# Altium PCB 1166V30.PcbDoc (part 2 of 6)
Units mil, origin at the board's own origin, x right, y up, seen from the top; angles counter-clockwise.
Board outline 6140.98 x 3937.01 mil, 8 copper layers (Top Layer, Layer 1, Layer 2, Layer 3, Layer 4, Layer 5, Layer 6, Bottom Layer), stack 63.002 mil thick; 581 components, 327 nets, 2120 pads, 1524 vias.
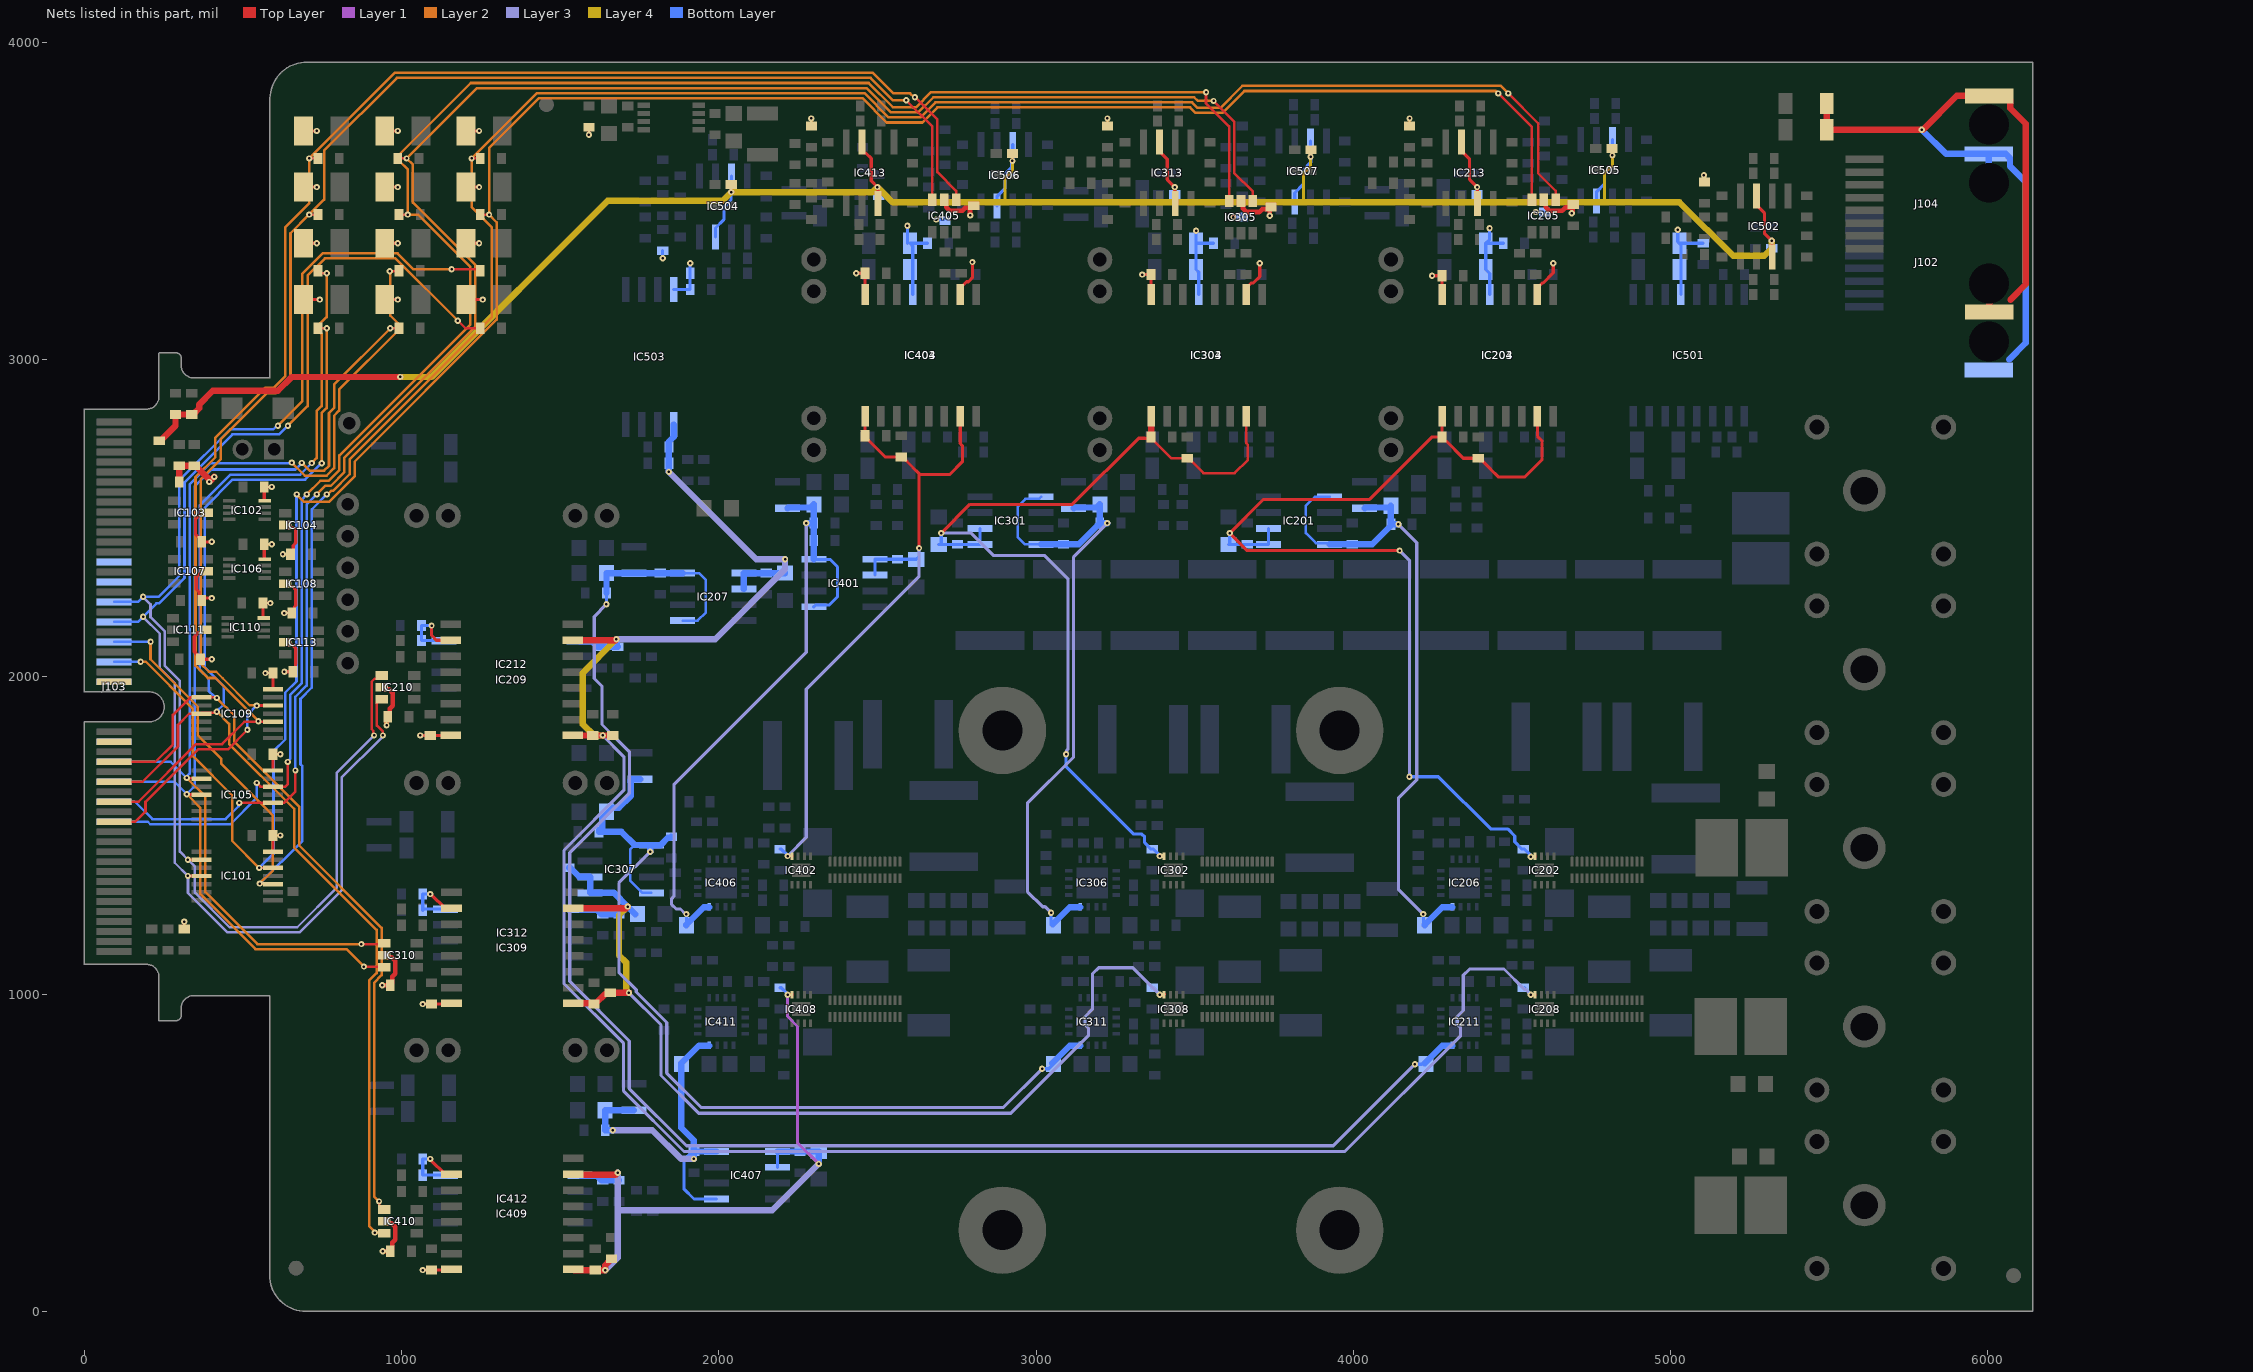
[diagram p8: the nets of this part, all layers, seen from the top]

## Footprints (in the part's own frame and the unit in brackets; to place one, negate y for a bottom-side part, rotate by r counter-clockwise, add the part's x,y. Pads: shape width x height; smd on the part's side, far side on the other; paste and mask are expansions set on the pad) (continued)
"King_Logo 900x300mil short" [mil]
  Top Layer lines w1: 0,304 78,304 ; 0,303 78,303 ; 0,302 79,302 ; 1,301 79,301 ; 1,300 80,300 ; 2,299 80,299 ; 2,298 81,298 ; 3,297 81,297 ; 3,296 82,296 ; 4,295 82,295 ; 4,294 83,294 ; 5,293 83,293 ; 5,292 84,292 ; 6,291 84,291 ; 6,290 85,290 ; 7,289 85,289 ; 7,288 86,288 ; 8,287 86,287 ; 8,286 87,286 ; 9,285 87,285 ; 9,284 88,284 ; 10,283 88,283 ; 10,282 89,282 ; 11,281 89,281 ; 11,280 90,280 ; 12,279 90,279 ; 12,278 91,278 ; 13,277 91,277 ; 13,276 92,276 ; 14,275 92,275 ; 14,274 93,274 ; 15,273 93,273 ; 15,272 94,272 ; 16,271 94,271 ; 16,270 94,270 ; 17,269 95,269 ; 17,268 95,268 ; 18,267 96,267 ; 18,266 96,266 ; 19,265 97,265 ; 19,264 97,264 ; 20,263 98,263 ; 20,262 98,262 ; 21,261 99,261 ; 21,260 99,260 ; 21,259 100,259 ; 22,258 100,258 ; 22,257 101,257 ; 23,256 101,256 ; 23,255 102,255 ; 24,254 102,254 ; 24,253 103,253 ; 25,252 103,252 ; 25,251 104,251 ; 26,250 104,250 ; 26,249 105,249 ; 27,248 105,248 ; 27,247 106,247 ; 28,246 106,246 ; 28,245 107,245 ; 29,244 107,244 ; 29,243 108,243 ; 30,242 108,242 ; 30,241 109,241 ; 39,225 117,225 ; 39,224 117,224 ; 39,223 118,223 ; 40,222 118,222 ; 40,221 119,221 ; 41,220 119,220 ; 41,219 120,219 ; 42,218 120,218 ; 42,217 121,217 ; 43,216 121,216 ; 43,215 121,215 ; 44,214 122,214 ; 44,213 122,213 ; 45,212 123,212 ; 45,211 123,211 ; 46,210 124,210 ; 46,209 124,209 ; 47,208 125,208 ; 47,207 125,207 ; 48,206 126,206 ; 48,205 126,205 ; 49,204 127,204 ; 49,203 127,203 ; 49,202 128,202 ; 50,201 128,201 ; 50,200 129,200 ; 51,199 129,199 ; 51,198 130,198 ; 52,197 130,197 ; 52,196 131,196 ; 53,195 131,195 ; 53,194 132,194 ; 54,193 132,193 ; 54,192 133,192 ; 55,191 133,191 ; 55,190 134,190 ; 56,189 134,189 ; 56,188 135,188 ; 57,187 135,187 ; 57,186 136,186 ; 58,185 136,185 ; 58,184 137,184 ; 59,183 137,183 ; 59,182 138,182 ; 60,181 138,181 ; 60,180 139,180 ; 61,179 139,179 ; 61,178 140,178 ; 62,177 140,177 ; 62,176 141,176 ; 63,175 141,175 ; 63,174 142,174 ; 64,173 142,173 ; 64,172 143,172 ; 65,171 143,171 ; 65,170 144,170 ; 66,169 144,169 ; 66,168 145,168 ; 67,167 145,167 ; 67,166 145,166 ; 68,165 146,165 ; 68,164 146,164 ; 69,163 147,163 ; 69,162 147,162 ; 69,161 148,161 ; 70,160 148,160 ; 69,141 147,141 ; 68,140 147,140 ; 68,139 146,139 ; 67,138 146,138 ; 67,137 145,137 ; 66,136 145,136 ; 66,135 144,135 ; 65,134 144,134 ; 65,133 143,133 ; 64,132 143,132 ; 64,131 142,131 ; 63,130 142,130 ; 63,129 141,129 ; 62,128 141,128 ; 62,127 140,127 ; 61,126 140,126 ; 61,125 139,125 ; 60,124 139,124 ; 60,123 138,123 ; 59,122 138,122 ; 59,121 137,121 ; 58,120 137,120 ; 58,119 136,119 ; 57,118 136,118 ; 57,117 136,117 ; 56,116 135,116 ; 56,115 135,115 ; 55,114 134,114 ; 55,113 134,113 ; 54,112 133,112 ; 54,111 133,111 ; 53,110 132,110 ; 53,109 132,109 ; 53,108 131,108 ; 52,107 131,107 ; 52,106 130,106 ; 51,105 130,105 ; 51,104 129,104 ; 50,103 129,103 ; 50,102 128,102 ; 49,101 128,101 ; 49,100 127,100 ; 48,99 127,99 ; 48,98 126,98 ; 47,97 126,97 ; 47,96 125,96 ; 46,95 125,95 ; 46,94 124,94 ; 45,93 124,93 ; 45,92 123,92 ; 44,91 123,91 ; 44,90 122,90 ; 43,89 122,89 ; 43,88 121,88 ; 42,87 121,87 ; 42,86 120,86 ; 41,85 120,85 ; 41,84 119,84 ; 40,83 119,83 ; 40,82 118,82 ; 39,81 118,81 ; 39,80 117,80 ; 38,79 117,79 ; 30,62 108,62 ; 29,61 108,61 ; 29,60 108,60 ; 29,59 107,59 ; 28,58 107,58 ; 28,57 106,57 ; 27,56 106,56 ; 27,55 105,55 ; 26,54 105,54 ; 26,53 104,53 ; 25,52 104,52 ; 25,51 103,51 ; 24,50 103,50 ; 24,49 102,49 ; 23,48 102,48 ; 23,47 101,47 ; 22,46 101,46 ; 22,45 100,45 ; 21,44 100,44 ; 21,43 99,43 ; 20,42 99,42 ; 20,41 98,41 ; 19,40 98,40 ; 19,39 97,39 ; 18,38 97,38 ; 18,37 96,37 ; 17,36 96,36 ; 17,35 95,35 ; 16,34 95,34 ; 16,33 94,33 ; 15,32 94,32 ; 15,31 93,31 ; 14,30 93,30 ; 14,29 92,29 ; 13,28 92,28 ; 13,27 91,27 ; 13,26 91,26 ; 12,25 91,25 ; 12,24 90,24 ; 11,23 90,23 ; 11,22 89,22 ; 10,21 89,21 ; 10,20 88,20 ; 9,19 88,19 ; 9,18 87,18 ; 8,17 87,17 ; 8,16 86,16 ; 7,15 86,15 ; 7,14 85,14 ; 6,13 85,13 ; 6,12 84,12 ; 5,11 84,11 ; 5,10 83,10 ; 4,9 83,9 ; 4,8 82,8 ; 3,7 82,7 ; 3,6 81,6 ; 2,5 81,5 ; 2,4 80,4 ; 1,3 80,3 ; 1,2 79,2 ; 0,1 79,1 ; 0,0 78,0
LP [mil]
"MSOP-8 (RM-8)" [mm]
  rect 0.42x1 smd: 1(0,0) 2(0.65,0) 3(1.3,0) 4(1.95,0) 5(1.95,4.4) 6(1.3,4.4) 7(0.65,4.4) 8(0,4.4)
  silkscreen extent -0.6,0.6 2.6,3.8, body extent -0.51,-0.24 2.49,4.66, height 1.15
PAD-1.0/1.8 [mm] "Thrughhole Solder PAD 1mm Hole, 1.8mm Size"
  round 1.8 hole 1: 1(0,0)
  silkscreen extent -1.27,-1.27 1.27,1.27
PAD-6.0/3.2 [mm] "Pad 6.00mm, 3.20 mm hole size"
  round 7 hole 3.2: 1(0,0)
  silkscreen extent -3,-3 3,3
Part [mil]
  silkscreen extent 0,-10 25,10
"PASSER-MARK Rund 1,2mm" [mm] "Passer-Mark Rund 1,2mm"
  round 1.2 smd paste-1.2 mask+0.5: 0(0,0)
  silkscreen extent -1.27,-1.27 1.27,1.27
PLCC-2_gelb [mm] "SMD PLCC 2 pin"
  rect 1.5x2.3 smd: 1(1.45,0) 2(-1.45,0)
  silkscreen extent -1.5,-1.5 1.5,1.5, body extent -1.75,-1.4 1.75,1.4, height 1.55
PLCC-2_rot [mm] "SMD PLCC 2 pin"
  rect 1.5x2.3 smd: 1(1.45,0) 2(-1.45,0)
  silkscreen extent -1.5,-1.5 1.5,1.5, body extent -1.75,-1.4 1.75,1.4, height 1.55
"QFN-16 (4x4mm)" [mm]
  rect 2.5x2.5 smd: 0(0,0)
  rect 0.6x0.3 smd: 1(-1.9,0.975) 2(-1.9,0.325) 3(-1.9,-0.325) 4(-1.9,-0.975) 9(1.9,-0.975) 10(1.9,-0.325) 11(1.9,0.325) 12(1.9,0.975)
  rect 0.3x0.6 smd: 5(-0.975,-1.9) 6(-0.325,-1.9) 7(0.325,-1.9) 8(0.975,-1.9) 13(0.975,1.9) 14(0.325,1.9) 15(-0.325,1.9) 16(-0.975,1.9)
  silkscreen extent -2,-2 2,2, body extent -2,-2 2,2, height 0.92
SIP-2 [mm] "Connector Single Inline Package, Raster 2.54mm, 2 pin"
  rect 1.6x1.6 hole 1: 1(0,0)
  round 1.6 hole 1: 2(2.54,0)
  silkscreen extent -1.27,-1.27 3.81,1.27, body extent -1.15,-1.17 3.69,1.17, height 10.52
"SIP-7 Single - X2" [mm]
  round 2 hole 1.1 paste-0.02: 1(0,0) 2(2.54,0) 6(12.7,0) 7(15.24,0)
  silkscreen extent -1.9,-7.4 17.6,2.4, body extent -1.9,-7.4 17.6,2.4, height 12.51
"SLB4-I/90 - 4mm - Blau - CLIFF" [mm] "Winkelbuchsen 4mm"
  round 2 hole 1.2: 0(-5.08,6.36) 0(-5.08,-3.8) 0(5.08,6.36) 0(5.08,-3.8)
  round 3.4 hole 2.2: 1(0,0)
  silkscreen extent -6,-5.5 6,27.5, body extent -6,-5.5 6,27.5, height 12.3
"SLB4-I/90 - 4mm - rot - CLIFF" [mm] "Winkelbuchsen 4mm"
  round 2 hole 1.2: 0(-5.08,6.36) 0(-5.08,-3.8) 0(5.08,6.36) 0(5.08,-3.8)
  round 3.4 hole 2.2: 1(0,0)
  silkscreen extent -6,-5.5 6,27.5, body extent -6,-5.5 6,27.5, height 12.3
"SLB4-I/90 - 4mm - Schwarz - CLIFF" [mm] "Winkelbuchsen 4mm"
  round 2 hole 1.2: 0(-5.08,6.36) 0(-5.08,-3.8) 0(5.08,6.36) 0(5.08,-3.8)
  round 3.4 hole 2.2: 1(0,0)
  silkscreen extent -6,-5.5 6,27.5, body extent -6,-5.5 6,27.5, height 12.3
SMA [mm] "SMD SMA size"
  rect 1.7x1.7 smd: 1(-0.127,0) 2(3.977,0)
  silkscreen extent -0.24,-1.45 4.09,1.45, body extent -0.81,-1.4 4.67,1.4, height 2.26
SOIC-8-N [mm] "SMD Small Outline IC 8 pin Narrow"
  rect 2x0.55 smd: 1(0,0) 2(0,-1.27) 3(0,-2.54) 4(0,-3.81) 5(4.9,-3.81) 6(4.9,-2.54) 7(4.9,-1.27) 8(4.9,0)
  silkscreen extent 1.46,-4.44 3.44,0.64, body extent -0.58,-4.32 5.61,0.51, height 1.7
SOIC-8-W [mm] "SMD Small Outline IC 16 pin Wide"
  rect 2x0.6 smd: 1(-0.7,0) 2(-0.7,-1.27) 3(-0.7,-2.54) 4(-0.7,-3.81) 5(10.1,-3.81) 6(10.1,-2.54) 7(10.1,-1.27) 8(10.1,0)
  silkscreen extent 1.89,-4.45 7.51,0.63, body extent -0.62,-4.32 10.02,0.51, height 1.7
"SOIC-16-W - 8.1mm" [mm] "SMD Small Outline IC 16 pin Wide"
  rect 1.65x0.6 smd: 1(0,0) 2(0,-1.27) 3(0,-2.54) 4(0,-3.81) 5(0,-5.08) 6(0,-6.35) 7(0,-7.62) 8(0,-8.89) 9(9.75,-8.89) 10(9.75,-7.62) 11(9.75,-6.35) 12(9.75,-5.08) 13(9.75,-3.81) 14(9.75,-2.54) 15(9.75,-1.27) 16(9.75,0)
  silkscreen extent 1.89,-9.53 7.51,0.63, body extent -0.4,-9.7 10.2,0.8, height 2.57
SOT-23-6 [mil] "SMD Small Outline Transistor 6 pin"
  rect 27x39 smd: 1(0,0) 2(37.5,0) 3(75,0) 4(75,102) 5(37.5,102) 6(0,102)
  silkscreen extent -22,18 96,84, body extent -18,3 92,99, height 43
TSSOP-14 [mm] "SMD Thin Shrink Small Outline Package 14 pins"
  rect 1.6x0.35 smd: 1(0,0) 2(0,-0.65) 3(0,-1.3) 4(0,-1.95) 5(0,-2.6) 6(0,-3.25) 7(0,-3.9) 8(5.7,-3.9) 9(5.7,-3.25) 10(5.7,-2.6) 11(5.7,-1.95) 12(5.7,-1.3) 13(5.7,-0.65) 14(5.7,0)
  silkscreen extent 1.64,-4.23 4.06,0.32, body extent -0.38,-4.46 6.07,0.54, height 1.2
VSSOP-8 [mm] "Small Outline Package 8 pins"
  rect 0.3x1 smd: 1(0,0) 2(0.5,0) 3(1,0) 4(1.5,0) 5(1.5,2.85) 6(1,2.85) 7(0.5,2.85) 8(0,2.85)
  silkscreen extent -0.3,0.23 1.8,2.63, body extent -0.39,-0.13 1.91,2.97, height 0.83
WE-634008149821 [mm] "Modular Jack Horizontal Shielded SMT 8P8C Tab Up"
  rect 0.61x3.05 smd: 1(3.57,7.505) 2(2.55,7.505) 3(1.53,7.505) 4(0.51,7.505) 5(-0.51,7.505) 6(-1.53,7.505) 7(-2.55,7.505) 8(-3.57,7.505)
  rect 1.2x3.89 smd paste-403.566 mask-403.566: S(-8.66,-2.475) S(8.66,-2.475)
  round 0 hole 3.2 unplated: S(-6.35,-2.475) S(6.35,-2.475)
  Top Layer region: 9.91,-4.42 7.41,-4.42 7.41,-3.706 7.411,-3.706 7.827,-3.153 7.975,-2.477 7.828,-1.8 7.413,-1.246 7.413,-1.246 7.41,-1.241 7.41,-0.53 9.91,-0.53
  Top Layer region: -9.91,-4.42 -7.41,-4.42 -7.41,-3.706 -7.411,-3.706 -7.827,-3.153 -7.975,-2.477 -7.828,-1.8 -7.413,-1.246 -7.413,-1.246 -7.41,-1.241 -7.41,-0.53 -9.91,-0.53
  silkscreen extent -8.2,-7.87 8.2,7.83, body extent -9.4,-7.88 9.4,8.42, height 13.45
"WSON-8 (2.5x2.5mm)" [mm]
  rect 1.5x1.1 smd: 0(0,0)
  rect 0.25x0.6 smd: 1(-0.75,-1.15) 2(-0.25,-1.15) 3(0.25,-1.15) 4(0.75,-1.15) 5(0.75,1.15) 6(0.25,1.15) 7(-0.25,1.15) 8(-0.75,1.15)
  silkscreen extent -1.25,-1.25 1.25,1.25, body extent -1.25,-1.25 1.25,1.25, height 0.8

## Part data
C101 C102 C103 C104 C105 C106 C107 C108 C109 C201 C202 C203 C204 C205 C206 C207 C208 C209 C210 C211 C212 C213 C214 C215 C216 C217 C218 C219 C220 C221 C222 C223 C224 C225 C226 C227 C228 C229 C230 C231 C232 C233 C234 C235 C236 C237 C238 C239 C240 C241 C242 C301 C302 C303 C304 C305 C306 C307 C308 C309 C310 C311 C312 C313 C314 C315 C316 C317 C318 C319 C320 C321 C322 C323 C324 C325 C326 C327 C328 C329 C330 C331 C332 C333 C334 C335 C336 C337 C338 C339 C340 C341 C342 C401 C402 C403 C404 C405 C406 C407 C408 C409 C410 C411 C412 C413 C414 C415 C416 C417 C418 C419 C420 C421 C422 C423 C424 C425 C426 C427 C428 C429 C430 C431 C432 C433 C434 C435 C436 C437 C438 C439 C440 C441 C442 C501 C502 C503 C504 C505 C506 C507 C508 C509 C510 C511 C512 C513 C514 C515 C516 C517 C518 C519 C520 C521 C522 C523 C524 C525 C526 C527 C528 C529 C530 C531 C532 C533 C534 C535 C536 C537 C538 C539 C540 C541 C542 C543 C544 C545 C546 C547 C548 C549 C550 C551 C552 C553 C554 CF101 CF102 CF103 CF104 CF105 CF106 CF107 CF108 CF109 CF110 CF111 CF112 CF201 CF202 CF203 CF204 CF205 CF206 CF207 CF208 CF209 CF210 CF211 CF212 CF213 CF214 CF215 CF216 CF217 CF218 CF301 CF302 CF303 CF304 CF305 CF306 CF307 CF308 CF309 CF310 CF311 CF312 CF313 CF314 CF315 CF316 CF317 CF318 CF401 CF402 CF403 CF404 CF405 CF406 CF407 CF408 CF409 CF410 CF411 CF412 CF413 CF414 CF415 CF416 CF417 CF418 CF501 CF502 CF503 CF504 CF505 CF506 CF507 CF508 CF509 CF510 CF511 CF512 CF513 CF514 CX101: library part Cap_SMD, "Capacitor (SMD)", Class I=Pasiv, Class II=Capacitor, Last edited="20.11.2006 10:25"
D101: "Schottky Barrier Rectifier Vr=60V If=1A", Manufacturer="General Semiconductor", Package information=Unknown, Package Reference="DO-214AC (SMA)", Best.-Nr.="Farnell 145-6528RL", Class I=Discret, Class II="Schottky Earrier Rectifier Vr=60V If=1A", Datasheet="Ver. 7 Nov 2000"
D201 D204 D301 D304 D401 D404: "Top LED Super red, 2mA, 18mcd, -40-100°C", Manufacturer=Vishay, Best.-Nr.="Farnell 132-8349", Class I=Discrete, Class II="TOPLED Red", Last edited="23.01.2007 08:58"
D202 D206 D302 D306 D402 D406: "Silicon Carbide Schottky Diode Vr=1200V If=1A", Manufacturer="GeneSiC Semiconductor", Package information=Unknown, Package Reference="DO-214AA (SMB)", Best.-Nr.="DigiKey: 1242-1169-1-ND", Class I=Discret, Class II="Silicon Carbide Schottky Diode Vr=1200V If=1A", Datasheet="Ver. 7 Nov 2000"
D203 D205 D303 D305 D403 D405: "Top LED Yellow, 2mA, 18mcd, -40-100°C", Manufacturer=Vishay, Best.-Nr.=???, Class I=Discrete, Class II="TOPLED Yellow", Last edited="23.01.2007 08:58"
IC101 IC105 IC109: "Dual 4-Input AND Gate with Schmitt Trigger Input", Manufacturer="Texas Instrument", Package information=Unknown, Package Reference=TSSOP-14, Best.-Nr.="DigiKey: 296-SN74HCS21PWRCT-ND", Class I=Logic, Class II=Gate, Datasheet=SCES200J
IC102 IC106 IC110: "(VSSOP) Dual 2-Input Positive AND Gate", Manufacturer="Texas Instrument", Package information=Unknown, Package Reference=VSSOP-8, Class I=Logic, Class II="Dual 2-Input Positive AND Gate", Datasheet="SCES193J, Rev. Sep 2003"
IC103 IC107 IC111: library part SN74LVC2G17D_, "Dual Buffer with Schmitt Trigger Input", Manufacturer="Texas Instrument", value121=SN74LVC2G17DCK, Best.-Nr.="Farnell 147-0776 (SOT23-6), 128-7569 (SC-70)", Class I=Logic, Class II="Dual Buffer with Schmitt Trigger Input", Datasheet="SCES381E, Rev. Sep 2003", Last edited="22.01.2007 11:08", value111=SN74LVC2G17DBV
IC104 IC108 IC113 IC205 IC210 IC305 IC310 IC405 IC410: library part SN74LVC2G14D_, "Dual Inverter with Schmitt Trigger Input", Manufacturer="Texas Instrument", value121=SN74LVC2G14DCK, Class I=Logic, Class II="Dual Inverter with Schmitt Trigger Input", Datasheet=SCES200J, Last edited="22.01.2007 11:08", value111=SN74LVC2G14DBV
IC112: "Voltage References 2,5V, 2ppm/°C, Low Noise 0,25ppm", Manufacturer="Linear Technology", Package information=Unknown, Package Reference=MSOP-8, Best.-Nr.="Farnell 229-5508", Class I=Discret, Class II="Voltage References 2,5V, 2ppm/°C, Low Noise 0,25ppm", Datasheet=Unknown
IC201 IC207 IC301 IC307 IC401 IC407: "LDO 5V/500mA, Vin 20V (-40-125°C)", Manufacturer="Linear Technology", Package information=Unknown, Package Reference=SO-8, Best.-Nr.="Farnell 229-5214", Class I=Discret, Class II="LDO 5V/500mA, Vin 20V (-40-125°C)", Datasheet=???
IC202 IC208 IC302 IC308 IC402 IC408: "Temperature Sensor/Switch -40 - 150°C, Resistor-Programmable, 10°C Hysterese", Manufacturer="Texas Instruments", Best.-Nr.="DigiKey: LM57CISD-10/NOPBCT-ND", Class I=Sensor, Class II="Temperature Sensor/Switch -40 - 150°C, Resistor-Programmable, 10°C Hysterese"
IC203 IC303 IC403 IC501: "±250 mV Input Voltage Range, Reinforced Isolated Amplifier and High Bandwidth of 300 kHz", Manufacturer="Texas Instruments", Package information=Unknown, Package Reference=SOIC-16-W, Best.-Nr.="DigiKey: 296-AMC3301DWE-ND", Class I="Isolated Amplifier", Class II="±250 mV, 300KHz, -40-125°C", Datasheet=Unknown
IC204 IC209 IC304 IC309 IC404 IC409: "Quad-CH 100Mbps Isolators 2 IN/2 OUT, 5000V Reinforced, (-40-125°C)", Manufacturer="Texas Instruments", Package information=Unknown, Package Reference=SOIC-16W, Best.-Nr.="DigiKey: 296-44609-1-ND", Class I=Optocoupler, Class II="Quad-CH 100Mbps Isolators 2 IN/2 OUT, 5000V Reinforced, (-40-125°C)", Datasheet=Unknown
IC206 IC211 IC306 IC311 IC406 IC411: "Low -Side GaN FET-Driver, 6,5V - 18V", Manufacturer=Renesas, Package information=Unknown, Package Reference=QFN-16, Best.-Nr.="Mouser: 968-2261104GNP#AA0", Class I=Discret, Class II="Low -Side GaN FET-Driver, 6,5V - 18V", Datasheet="Rev. Mar 2002"
IC212 IC312 IC412 IC503: "2V Input, Automotive High-Impedance, Reinforced Isolated Amplifier for Voltage Sensing", Manufacturer="Texas Instruments", Package information=Unknown, Package Reference=SOIC-8-W, Best.-Nr.="Mouser: 595-AMC1311BQDWVRQ1", Class I="Isolated Amplifier", Class II="2V, 275KHz, -40-125°C", Datasheet=Unknown
IC213 IC313 IC413 IC502 IC504 IC505 IC506 IC507: "Fully Differential ADC Drivers (-40-125°C)", Manufacturer="ANALOG DEVICES", Package Reference=SOIC-N-8, Best.-Nr.="Farnell 209-6178", Class I=Analog, Class II="Fully Differential ADC Drivers (-40-125°C)", Datasheet="DSO11449, Ver. Aug 2000", Last edited="04.01.2007 10:14"
J101: "Single In-line Connector 2 pin", Class I=Connectors, Class II="Single In-line Connector 2 pin", Last edited="08.12.2006 17:09"
J102 J104: library part WE-634008149821, "SMD CAT3 RJ-45 Connector", Manufacturer="Würth Elektronik", Best.-Nr.=WE-634008149821, Class I=Connectors, Class II="RJ-45 Connector", Datasheet=Unknown, Package Reference=WE-634008149821
J103: "Einsteckkarte für KI-POWER Projekt (Ultra ZYNQ)", Manufacturer=Samtec, Best.-Nr.="Gegenstecker: Samtec HSEC8-150-01-XX-DV-A-BL", Class I=Connectors, Class II="Einsteckkarte für KI-POWER Projekt (Ultra ZYNQ)", Datasheet=2000/1, Last edited="07.09.2020 13:28"
J201 J301 J401: "Labor Winkelbuchsen 4mm Schwarz", Manufacturer="CLIFF Electronic", Best.-Nr.="Farnell: 185-4507", Class I=Connectors, Class II="Labor Winkelbuchsen 4mm Schwarz", Last edited="07.03.2007 13:28"
J501: "Labor Winkelbuchsen 4mm Rot", Manufacturer="CLIFF Electronic", Best.-Nr.="Farnell: 185-4508", Class I=Connectors, Class II="Labor Winkelbuchsen 4mm Rot", Last edited="07.03.2007 13:28"
J502: "Labor Winkelbuchsen 4mm Blau", Manufacturer="CLIFF Electronic", Best.-Nr.="Farnell: 185-4511", Class I=Connectors, Class II="Labor Winkelbuchsen 4mm Blau", Last edited="07.03.2007 13:28"
JX101 JX102 JX103 JX104 TP101 TP102 TP103 TP104 TP105 TP106 TP107: "PAD"
KIng101: "Kuebrich-Ing. Logo"
L101 L102 L103: library part WE-742792651, "Ferrite SMD 600R@100MHz 1A (0603)", Manufacturer=Wuerth-Elektronik, Best.-Nr.=WE-742792651, Class I=Pasive, Class II="Ferrite SMD 600R@100MHz 1A", Last edited="08.12.2006 12:28"
L201 L202 L203 L204 L301 L302 L303 L304 L401 L402 L403 L404: library part CB2518T101K, "100µH, 60/120mA. (1007), -40-105°C", Manufacturer="Taiyo Yuden", Best.-Nr.="DigiKey:   587-2192-1-ND", Class I=Pasive, Class II="100µH, 60/120mA. (1007), -40-105°C", Last edited="08.12.2006 12:28"
LP101: library part Leiterplatte, "Leiterplatte 100 x 156 mm, 8 Lagen (8x 70 µm)", Manufacturer="Generic Manufacturer"
P101: library part Part, "Kühlkörper 80x50x10 mm", Manufacturer="Fischer Elektronik", Best.-Nr.="SK 545 50 SA"
PS201 PS202 PS301 PS302 PS401 PS402: "DC/DC Converter 24V to 12V, 1W, 84mA (unregulated) 6,4KVDC Rainforced", Manufacturer=Recom, Package information=Unknown, Package Reference=SIP-7, Best.-Nr.="Mouser: 919-R24P12SX2PR6.4", Class I=Analog, Class II="DC/DC Converter 24V to 12V, 1W, 84mA (unregulated) 6,4KVDC Rainforced", Datasheet="Rev. 28 Apr 2002"
Q201 Q202 Q301 Q302 Q401 Q402: "GaN-Fet 80V, 2.2mOhm, 90A", Manufacturer=EPC, Package information=Unknown, Package Reference=DIE, Best.-Nr.="DigiKey: 917-1212-1-ND", Class I=Discret, Class II="GaN-Fet 80V, 2.2mOhm, 90A", Datasheet="Rev. Mar 2002"
R101 R102 R103 R104 R201 R202 R203 R204 R205 R206 R207 R208 R209 R210 R211 R212 R213 R214 R215 R217 R218 R220 R221 R222 R223 R224 R225 R226 R227 R228 R229 R230 R232 R233 R234 R235 R236 R237 R238 R239 R240 R241 R242 R301 R302 R303 R304 R305 R306 R307 R308 R309 R310 R311 R312 R313 R314 R315 R317 R318 R320 R321 R322 R323 R324 R325 R326 R327 R328 R329 R330 R332 R333 R334 R335 R336 R337 R338 R339 R340 R341 R342 R401 R402 R403 R404 R405 R406 R407 R408 R409 R410 R411 R412 R413 R414 R415 R417 R418 R420 R421 R422 R423 R424 R425 R426 R427 R428 R429 R430 R432 R433 R434 R435 R436 R437 R438 R439 R440 R441 R442 R501 R502 R503 R504 R505 R506 R507 R508 R509 R510 R511 R512 R513 R514 R515 R516 R518 R519 R520 R521 R522 R523 R524 R525 R526 R527 R528 R529 R530 R531 R532 R533 R534 R535 R536 R537 R538 R539 R540 R541 R542 R543 R544 R545 R546 RX101: library part Res_SMD, "Resistor SMD", Class I=Pasiv, Class II=Resistor, Last edited="17.11.2006 11:38"
R216 R231 R316 R331 R416 R431: library part CSS2H-2512R-1L00F, "Shunt 0.001R, 5W, 1%, 50ppm/°C", Manufacturer=Bourns, Best.-Nr.="Farnell 257-6347", Class I=Pasiv, Class II="Shunt 5W", Last edited="23.11.2010 14:12"
R219 R319 R419 R517: library part GMR320HJBFA10L0, "Shunt 0.010R, 10W, 1%, 25ppm", Manufacturer=ROHM, Best.-Nr.="DigiKey 511-GMR320HJBFA10L0CT-ND; Mouser: 755-GMR320HJBFA10L0", Class I=Pasiv, Class II="Shunt 10W", Last edited="23.11.2006 14:12"

## Via types
v1: diameter 19.68, hole 7.87, Top Layer to Bottom Layer, 1524 vias

## Nets (pads, with @x,y where several pads share a name; then routed paths per layer and width w, separated by ;. In a path a pad name is that pad's centre, name@x,y a point inside that pad or via, vN(x,y) a via of type N, cw(c..) or ccw(c..) an arc to the next point about the centre after c; other vN are vias at no path point)
1P5V: C230.1 C231.1 CF208.1 CF211.2 CF217.1 CF218.1 CF505.1 CF506.1 IC207.1 IC207.2 IC208.4 IC209.1 IC209.7 IC212.1 IC503.1 R222.1 | length 7002
  Top Layer w10: v1(4559.06,997.84) 4559.15,997.94 4572.76,997.94 IC208.4@4572.83,998.03
  Top Layer w20: IC209.1@1539.37,1814.96 CF211.2@1602.36,1814.96 v1(1633.86,1814.96) R222.1@1665.35,1814.96 ; IC209.7@1539.37,2114.96 1674.02,2114.96 v1(1677.17,2118.11)
  Layer 3 w10: v1(1633.86,1814.96) 1700.79,1748.03 1700.79,1641.73 1511.81,1452.76 1511.81,1032.33 1699.61,844.53 1699.61,694.09 1890.09,503.61 3972.93,503.61 4337.8,868.49 4337.8,893.67 4327.55,903.92 4327.55,929.11 4346.46,948.01 4346.46,1059.06 4366.14,1078.74 4474.71,1078.74 4538.86,1014.59 4542.3,1014.59 v1(4559.06,997.84)
  Layer 3 w20: v1(1677.17,2118.11) 1988.19,2118.11 2208.66,2338.58 v1(2208.66,2370.08) 2118.11,2370.08 v1(1842.52,2645.67)
  Layer 4 w20: v1(1633.86,1814.96) 1606.3,1814.96 1570.87,1850.39 1570.87,2011.81 v1(1677.17,2118.11)
  Bottom Layer w10: C231.1@4535.43,1019.68 4539.37,1019.68 4559.06,1000 v1(4559.06,997.84)
  Bottom Layer w20: IC212.1@1559.06,2114.17 1560.87,2112.36 1600.24,2112.36 1618.11,2094.49 CF217.1@1629.92,2094.49 CF218.1@1681.1,2094.49 1677.64,2097.95 1677.64,2117.64 v1(1677.17,2118.11) ; v1(1842.52,2645.67) CF506.1@1842.52,2673.23 1842.52,2740.16 1858.27,2755.91 1858.27,2794.09 IC503.1@1857.09,2795.28 ; IC207.2@2078.74,2276.77 IC207.1@2078.74,2326.77 C230.1@2149.61,2326.77 CF208.1@2208.66,2326.77 v1(2208.66,2370.08)
1P12V: C228.1 C229.1 C232.2 CF207.1 IC207.5 IC207.8 IC211.16 L204.2 | length 5161.1
  Layer 2 w10: v1@4193.78,776.46 v1(4193.78,778.66)
  Layer 3 w10: v1(1645.67,2228.35) 1607.08,2189.76 1607.08,1994.48 1631.53,1970.03 1631.53,1849.6 1718.79,1762.34 1718.79,1634.28 1529.81,1445.3 1529.81,1039.79 1717.61,851.98 1717.61,701.85 1897.85,521.61 3936.73,521.61 v1(4193.78,778.66)
  Bottom Layer w8: IC207.5@1885.83,2176.77 1932.68,2176.77 1958.85,2202.94 1958.85,2304.93 1937.01,2326.77 IC207.8@1885.83,2326.77
  Bottom Layer w10: v1(1645.67,2228.35) C228.1@1645.67,2263.78 ; v1(4193.78,778.66) 4215.67,778.66 C232.2@4228.35,791.34
  Bottom Layer w20: C228.1@1645.67,2263.78 CF207.1@1645.67,2326.77 L204.2@1732.28,2326.77 IC207.8@1885.83,2326.77 ; C232.2@4224.41,781.5 4279.68,836.77 IC211.16@4312.01,836.77
2P5V: C210.1 C211.1 CF202.1 CF205.2 IC201.1 IC201.2 IC202.4 IC204.1 IC204.7 R208.1 | length 3409.1
  Top Layer w10: v1@3606.3,2452.76 v1@3608.27,2450.79 ; v1(4145.67,2397.64) 3665.35,2397.64 v1(3610.24,2452.76) 3716.54,2559.06 4051.06,2559.06 4247.91,2755.91 CF205.2@4279.53,2755.91 ; IC204.1@4279.92,2820.87 4279.72,2820.67 4279.72,2756.1 CF205.2@4279.53,2755.91 ; v1(4559.06,1433.07) 4572.76,1433.07 4572.83,1433.15 IC202.4@4572.83,1435.04 ; IC204.7@4579.92,2820.87 4579.92,2758.66 4594.49,2744.09 4594.49,2683.73 4540.68,2629.92 4456.01,2629.92 4431.21,2654.72 4431.21,2655.4 4397.64,2688.98 R208.1@4393.7,2688.98 4346.46,2688.98 4292.24,2743.19 4288.31,2743.19 4279.53,2751.97 CF205.2@4279.53,2755.91
  Layer 2 w10: v1(4176.72,1685.04) v1@4177.17,1685.48
  Layer 3 w10: v1(4145.67,2397.64) 4177.17,2366.14 v1@4177.17,1685.48
  Bottom Layer w10: CF202.1@3606.3,2417.32 CF202.1@3610.24,2417.32 ; v1(3610.24,2452.76) CF202.1@3610.24,2417.32 ; IC201.2@3732.28,2467.32 IC201.1@3732.28,2417.32 C210.1@3665.35,2417.32 CF202.1@3610.24,2417.32 ; v1(4176.72,1685.04) 4267.72,1685.04 4432.29,1520.46 4486.11,1520.46 4508.57,1498 4508.57,1479.61 4531.5,1456.69 C211.1@4535.43,1456.69 4539.37,1456.69 4557.2,1438.86 4557.2,1434.92 v1(4559.06,1433.07)
2P12V: C208.1 C209.1 C215.2 CF201.1 IC201.5 IC201.8 IC206.16 L202.2 | length 2111.3
  Layer 2 w10: v1@4219.66,1251.97 v1(4220.47,1251.97)
  Layer 3 w10: v1(4141.73,2480.31) 4199.57,2422.48 4199.57,1675.14 4141.73,1617.3 4141.73,1329.9 v1@4219.66,1251.97
  Bottom Layer w8: IC201.8@3925.2,2417.32 3921.26,2421.26 3881.89,2421.26 3850.39,2452.76 3850.39,2539.37 3878.35,2567.32 IC201.5@3925.2,2567.32
  Bottom Layer w10: v1(4220.47,1251.97) 4220.47,1220.47 C215.2@4224.41,1216.54
  Bottom Layer w20: IC201.8@3925.2,2417.32 4059.06,2417.32 4118.11,2476.38 C208.1@4118.11,2480.31 ; L202.2@4035.43,2531.5 4037.24,2533.31 4112.05,2533.31 CF201.1@4118.11,2539.37 C208.1@4118.11,2480.31 ; v1(4141.73,2480.31) C208.1@4118.11,2480.31 ; C215.2@4224.41,1216.54 4224.41,1218.5 4279.69,1273.78 IC206.16@4312.01,1273.78
3P5V: C330.1 C331.1 CF308.1 CF311.2 CF317.1 CF318.1 IC307.1 IC307.2 IC308.4 IC309.1 IC309.7 IC312.1 R322.1 | length 3441.8
  Top Layer w10: v1(3389.76,997.95) 3403.46,997.95 IC308.4@3403.54,998.03 IC308.4@3403.54,999.92
  Top Layer w20: IC309.1@1541.34,970.47 CF311.2@1612.2,970.47 ; IC309.7@1543.31,1268.66 1545.12,1270.47 1707.48,1270.47 v1(1712.6,1275.59) ; CF311.2@1606.3,968.5 1610.24,968.5 CF311.2@1612.2,970.47 ; v1(1716.54,1003.94) R322.1@1657.48,1003.94 1653.7,1000.16 1641.89,1000.16 CF311.2@1612.2,970.47